# Altium PCB Kasli-DIOT.PCBDOC (part 18 of 21) (continued)
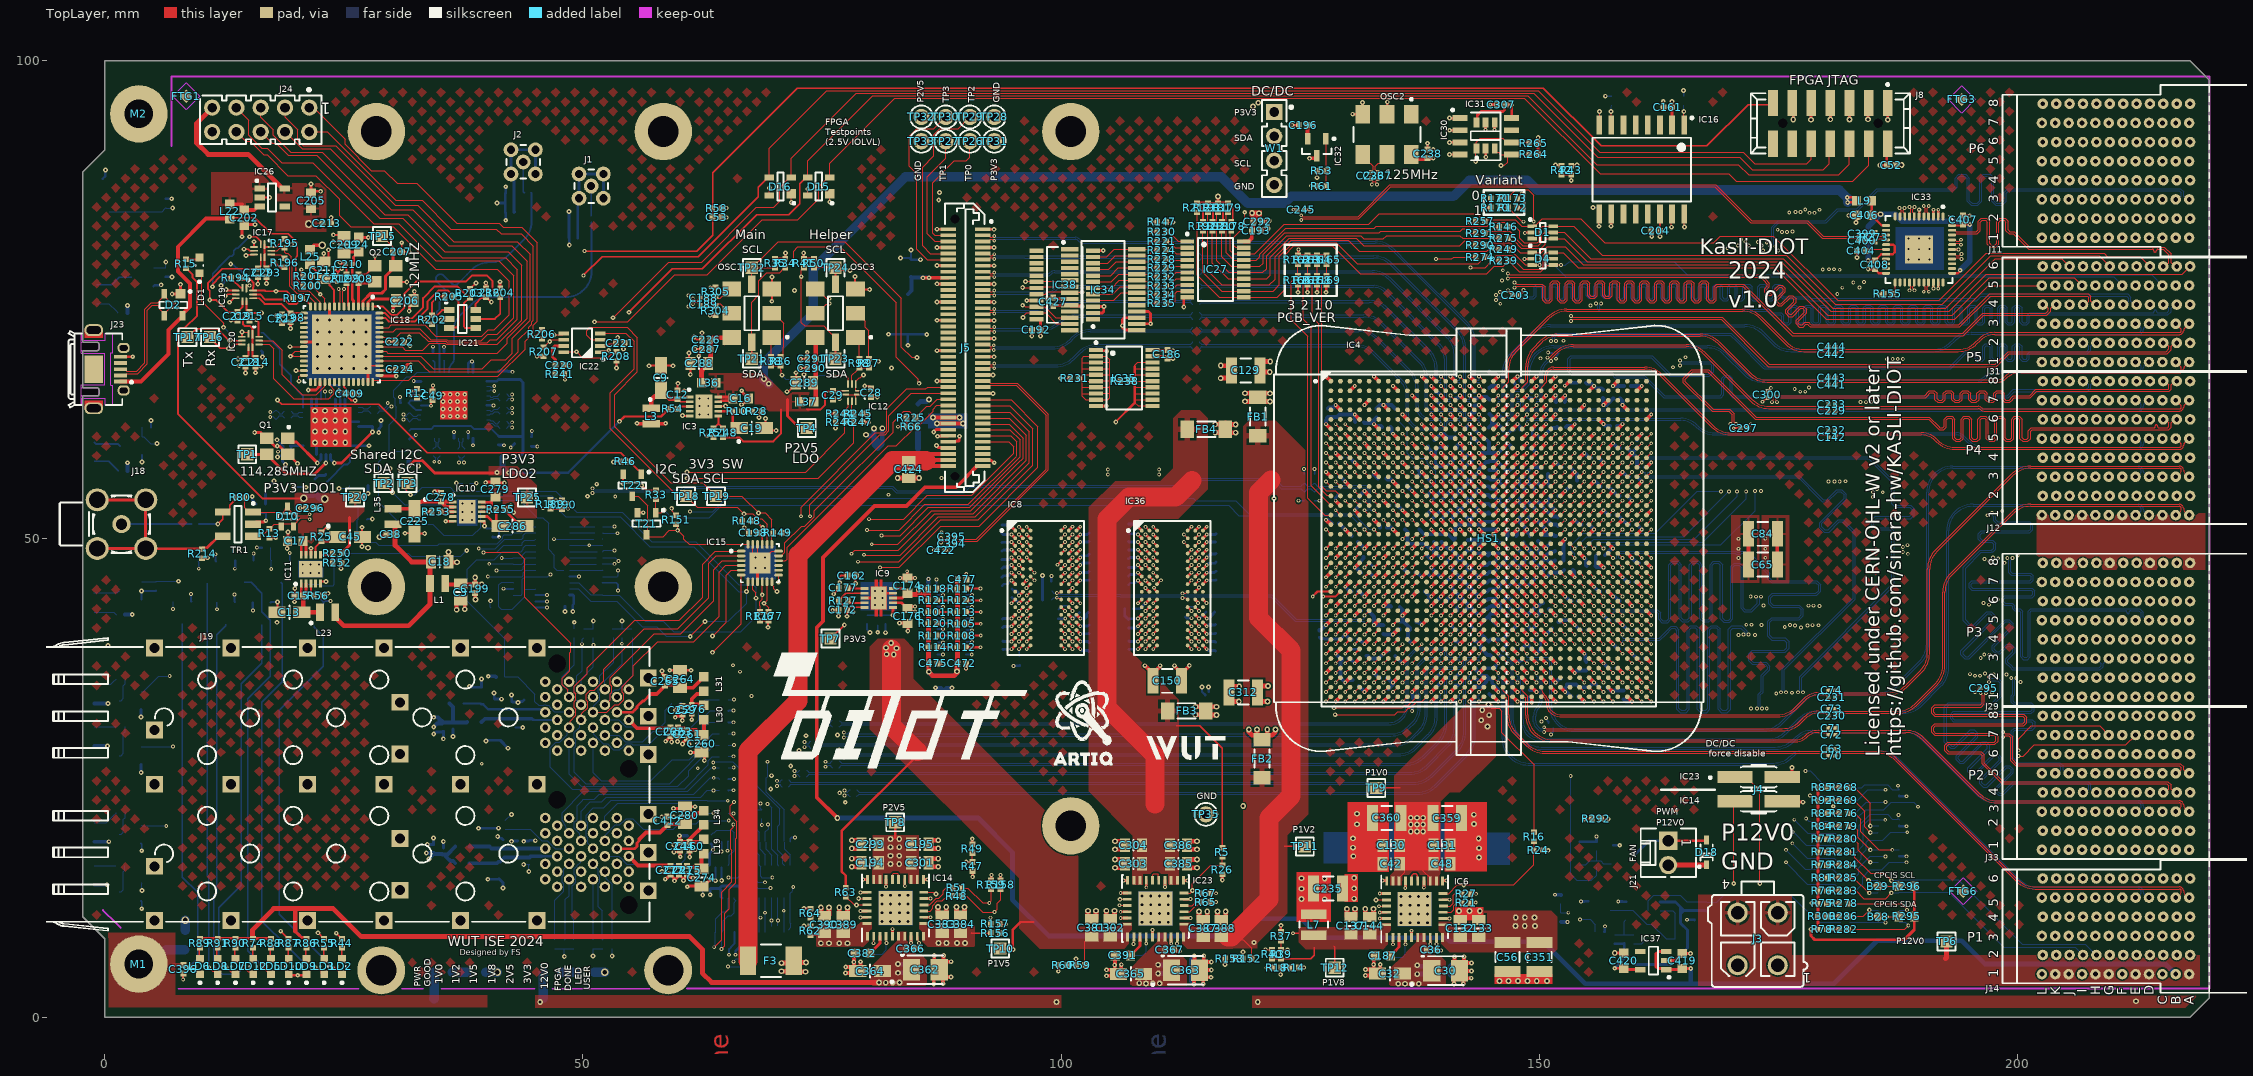
[diagram p0: TopLayer view]
## Nets (pads, with @x,y where several pads share a name; then routed paths per layer and width w, separated by ;. In a path a pad name is that pad's centre, name@x,y a point inside that pad or via, vN(x,y) a via of type N, cw(c..) or ccw(c..) an arc to the next point about the centre after c; other vN are vias at no path point) (continued)
SLOT6.LVDS_7_P: IC4.G29 J12.B8 | length 96.4
  TopLayer w0.095: IC4.G29@156.2,60.5 v1(156.7,61) ; v1(174.853,64.3) 174.853,64.348 174.7,64.5 174.7,64.7 174.778,64.778 190.2,64.778 190.404,64.778 190.699,65.072 190.699,65.122 190.863,65.286 191.192,65.286 191.356,65.122 191.356,64.564 191.65,64.27 192.163,64.27 192.457,64.564 192.457,65.122 192.621,65.286 192.95,65.286 193.114,65.122 193.114,64.564 193.408,64.27 193.921,64.27 194.215,64.564 194.215,65.122 194.379,65.286 194.708,65.286 194.872,65.122 194.872,64.564 195.166,64.27 195.679,64.27 195.973,64.564 195.973,65.122 196.137,65.286 196.466,65.286 196.63,65.122 196.63,64.564 196.924,64.27 197.437,64.27 197.731,64.564 197.731,65.122 197.895,65.286 198.224,65.286 198.388,65.122 198.388,64.564 198.682,64.27 199.195,64.27 199.489,64.564 199.489,64.614 199.653,64.778 200.6,64.778 201.342,64.778 201.992,65.428 215.839,65.428 216.05,65.639 216.05,66.143 216.407,66.5 J12.B8@216.639,66.5
  Layer 3 w0.075: v1(156.7,61) 157.055,61 157.099,61.044 157.099,61.678 157.585,62.164 157.585,64.512 158.3,65.228 158.374,65.302 158.397,65.302 158.556,65.461 158.556,67.289 158.834,67.567 159.319,67.567 159.597,67.289 159.597,64.853 159.756,64.694 160.075,64.694 160.234,64.853 160.234,65.185 160.512,65.463 160.997,65.463 161.275,65.185 161.275,64.853 161.434,64.694 161.753,64.694 161.912,64.853 161.912,67.289 162.19,67.567 162.675,67.567 162.953,67.289 162.953,64.853 163.112,64.694 163.431,64.694 163.59,64.853 163.59,67.135 163.868,67.413 164.353,67.413 164.631,67.135 164.631,64.853 164.79,64.694 165.109,64.694 165.268,64.853 165.268,65.024 165.546,65.302 165.891,65.302 166.422,65.302 166.519,65.302 166.678,65.461 166.678,65.632 166.955,65.91 167.441,65.91 167.719,65.632 167.719,64.853 167.878,64.694 168.197,64.694 168.356,64.853 168.356,65.632 168.633,65.91 169.119,65.91 169.397,65.632 169.397,64.853 169.556,64.694 169.875,64.694 170.034,64.853 170.034,65.632 170.311,65.91 170.797,65.91 171.075,65.632 171.075,64.853 171.234,64.694 171.553,64.694 171.712,64.853 171.712,65.632 171.989,65.91 172.475,65.91 172.753,65.632 172.753,65.461 172.912,65.302 173.625,65.302 174.338,65.302 174.69,64.95 174.69,64.506 174.853,64.344 v1(174.853,64.3)
SLOT6.LVDS_8_N: IC4.H29 J12.F8 | length 90.1
  TopLayer w0.095: IC4.H29@156.2,59.5 v1(156.7,60)
  Layer 3 w0.075: v1(156.7,60) 156.7,59.645 156.744,59.601 159.816,59.601 160.065,59.849 160.065,60.264 160.402,60.602 162.316,60.602 164.714,63 178.75,63 179.951,64.201 179.951,66.655 179.625,66.981 178.932,67.674 168.143,67.674 167.981,67.837 167.981,69.38 168.912,70.311 196.225,70.311 200.936,65.6 211.435,65.6 211.638,65.803 211.638,66.139 211.277,66.5 J12.F8@211.039,66.5
SLOT6.LVDS_8_P: IC4.J29 J12.E8 | length 90.4
  TopLayer w0.095: IC4.J29@156.2,58.5 v1(156.7,59)
  Layer 3 w0.075: v1(156.7,59) 156.7,59.355 156.744,59.399 159.9,59.399 160.267,59.765 160.267,60.181 160.486,60.4 162.4,60.4 164.798,62.798 178.834,62.798 180.153,64.117 180.153,66.739 179.911,66.981 179.015,67.876 168.227,67.876 168.183,67.92 168.183,69.296 168.996,70.109 196.141,70.109 200.853,65.398 211.519,65.398 211.84,65.719 211.84,66.139 212.201,66.5 J12.E8@212.439,66.5
SLOT6.LVDS_9_N: IC4.G27 J12.I8 | length 99
  TopLayer w0.095: IC4.G27@154.2,60.5 v1(154.7,61)
  Layer 3 w0.075: v1(154.7,61) 154.7,60.645 154.744,60.601 155.056,60.601 155.1,60.645 155.1,64.886 155.94,65.726 ccw(c155.7,66) 155.974,65.76 158.726,68.512 164.494,68.512 164.656,68.675 v1(164.7,68.675)
  BottomLayer w0.095: v1(164.7,68.675) 164.756,68.675 164.908,68.522 167.948,68.522 168.166,68.304 168.231,68.239 168.231,67.462 167.757,66.988 163.644,66.988 161.688,68.944 153.385,68.944 153.208,68.767 153.208,67.577 153.417,67.367 157.685,67.367 157.974,67.079 161.022,67.079 161.7,66.402 163.102,65 168.786,65 168.898,65 169.063,65.164 169.063,66.814 169.357,67.108 169.869,67.108 170.164,66.814 170.164,65.164 170.328,65 171.638,65 198.925,65 199.559,65.634 207.188,65.634 207.428,65.874 207.428,66.143 207.071,66.5 J12.I8@206.839,66.5
SLOT6.LVDS_9_P: IC4.H27 J12.H8 | length 99.4
  TopLayer w0.095: IC4.H27@154.2,59.5 v1(154.7,60)
  Layer 3 w0.075: v1(154.7,60) 154.7,60.355 154.744,60.399 155.14,60.399 155.302,60.561 155.302,64.802 156.078,65.578 ccw(c155.7,66) 156.122,65.622 158.81,68.31 164.494,68.31 164.656,68.148 v1(164.7,68.148)
  BottomLayer w0.095: v1(164.7,68.148) 164.756,68.148 164.908,68.3 167.856,68.3 168.009,68.148 168.009,67.554 167.665,67.21 163.736,67.21 161.78,69.166 153.293,69.166 152.986,68.859 152.986,67.485 153.051,67.42 153.325,67.145 157.593,67.145 157.882,66.857 160.93,66.857 161.386,66.402 161.543,66.245 163.01,64.778 168.786,64.778 168.99,64.778 169.285,65.072 169.285,66.722 169.449,66.886 169.777,66.886 169.942,66.722 169.942,65.072 170.236,64.778 171.638,64.778 199.017,64.778 199.651,65.412 207.28,65.412 207.65,65.782 207.65,66.143 208.007,66.5 J12.H8@208.239,66.5
SLOT6.LVDS_10_N: IC4.G32 J12.L8 | length 88.1
  TopLayer w0.095: IC4.G32@159.2,60.5 v1(159.7,61)
  Layer 3 w0.075: v1(159.7,61) 159.7,60.645 159.656,60.601 159.344,60.601 159.3,60.645 159.3,61.4 159.475,61.575 159.661,61.761 cw(c159.74,61.681) 159.82,61.761 159.878,61.702 ccw(c159.958,61.781) 160.038,61.702 ccw(c159.958,61.781) 160.038,61.861 159.979,61.92 cw(c160.058,61.999) 159.979,62.079 160.099,62.199 161.634,63.734 178.534,63.734 179.378,64.578 179.378,65.922 179.3,66 178.736,66.564 166.003,66.564 165.503,67.065 165.503,67.709 166.472,68.678 166.472,70.7 166.872,71.1 167.138,71.1 167.318,71.1 167.596,71.378 167.596,72.149 167.755,72.308 168.073,72.308 168.233,72.149 168.233,70.964 168.51,70.686 168.996,70.686 169.274,70.964 169.274,72.149 169.433,72.308 169.751,72.308 169.911,72.149 169.911,71.378 170.188,71.1 171.331,71.1 196.849,71.1 199.262,68.687 200.549,67.4 203.011,67.4 203.238,67.173 203.238,66.861 202.877,66.5 J12.L8@202.639,66.5
SLOT6.LVDS_10_P: IC4.H32 J12.K8 | length 88.6
  TopLayer w0.095: IC4.H32@159.2,59.5 v1(159.7,60)
  Layer 3 w0.075: v1(159.7,60) 159.7,60.355 159.656,60.399 159.26,60.399 159.098,60.561 159.098,61.484 161.55,63.936 178.45,63.936 179.176,64.662 179.176,65.838 178.652,66.362 165.919,66.362 165.301,66.981 165.301,67.792 166.27,68.762 166.27,70.784 166.789,71.302 167.138,71.302 167.234,71.302 167.394,71.461 167.394,72.232 167.671,72.51 168.157,72.51 168.435,72.232 168.435,71.047 168.594,70.888 168.912,70.888 169.072,71.047 169.072,72.232 169.349,72.51 169.835,72.51 170.113,72.232 170.113,71.461 170.272,71.302 171.331,71.302 196.933,71.302 199.262,68.972 200.633,67.602 203.095,67.602 203.44,67.257 203.44,66.861 203.801,66.5 J12.K8@204.039,66.5
SLOT6.LVDS_11_N: IC4.H24 J11.C6 | length 92.7
  TopLayer w0.095: IC4.H24@151.2,59.5 v1(151.7,60)
  Layer 5 w0.08: v1(151.7,60) 151.7,59.65 151.653,59.604 151.463,59.604 151.291,59.775 151.291,67.191 153.407,69.307 153.407,71.407 154.407,72.407 154.407,82.514 164.293,92.4 214.075,92.4 214.345,92.4 cw(c214.345,92.285) 214.46,92.285 214.46,92.207 ccw(c214.575,92.207) 214.575,92.092 ccw(c214.575,92.207) 214.69,92.207 214.69,92.285 cw(c214.805,92.285) 214.805,92.4 215.161,92.4 215.589,92.4 215.835,92.154 215.835,92.003 215.835,91.851 215.484,91.5 J11.C6@215.239,91.5
SLOT6.LVDS_11_P: IC4.J24 J11.B6 | length 93.3
  TopLayer w0.095: IC4.J24@151.2,58.5 v1(151.7,59)
  Layer 5 w0.08: v1(151.7,59) 151.7,59.35 151.653,59.397 151.377,59.397 151.084,59.69 151.084,67.277 153.2,69.393 153.2,71.493 154.2,72.493 154.2,82.6 164.207,92.607 215.675,92.607 216.042,92.24 216.042,91.918 216.042,91.851 216.393,91.5 J11.B6@216.639,91.5
SLOT6.LVDS_12_N: IC4.J26 J11.F6 | length 86
  TopLayer w0.095: IC4.J26@153.2,58.5 v1(153.7,59)
  Layer 5 w0.08: v1(153.7,59) 153.7,58.65 153.747,58.604 153.813,58.604 154.1,58.89 154.1,70.693 156.847,73.439 156.847,83.247 164.182,90.582 211.521,90.582 211.635,90.697 211.635,90.905 211.04,91.5 J11.F6@211.039,91.5
SLOT6.LVDS_12_P: IC4.K26 J11.E6 | length 86.4
  TopLayer w0.095: IC4.K26@153.2,57.5 v1(153.7,58)
  Layer 5 w0.08: v1(153.7,58) 153.7,58.35 153.747,58.397 153.899,58.397 154.307,58.805 154.307,70.607 157.054,73.354 157.054,83.161 164.268,90.375 211.607,90.375 211.842,90.611 211.842,90.905 J11.E6@212.439,91.5 J11.E6@212.439,91.5
SLOT6.LVDS_13_N: IC4.G34 J11.I6 | length 89.3
  TopLayer w0.095: IC4.G34@161.2,60.5 v1(161.7,61)
  layer 8 w0.075: v1(161.7,61) 161.7,60.921 161.518,60.74 161.518,60.61 161.562,60.567 162.267,60.567 162.519,60.819 162.519,69.5 162.519,72.354 168.198,78.034 168.198,82.798 170.193,84.793 170.562,85.162 171.061,85.162 172.136,84.086 172.468,84.086 172.799,84.418 172.799,84.749 170.233,87.315 170.233,87.814 170.682,88.263 171.181,88.263 173.747,85.697 174.078,85.697 174.41,86.028 174.41,86.36 171.843,88.926 171.843,89.425 172.293,89.874 172.792,89.874 175.358,87.308 175.689,87.308 176.02,87.639 176.02,87.971 174.945,89.046 174.945,89.545 175.072,89.672 176.057,90.657 202.36,90.657 ccw(c202.639,91.5) 202.918,90.657 203.76,90.657 ccw(c204.039,91.5) 204.318,90.657 205.16,90.657 ccw(c205.439,91.5) 205.718,90.657 207.278,90.657 207.438,90.817 207.438,91.139 207.077,91.5 J11.I6@206.839,91.5
SLOT6.LVDS_13_P: IC4.H33 J11.H6 | length 90.1
  TopLayer w0.095: IC4.H33@160.2,59.5 v1(160.7,60)
  layer 8 w0.075: v1(160.7,60) 161.065,60.364 162.35,60.364 162.721,60.735 162.721,69.5 162.721,72.271 168.4,77.95 168.4,82.714 170.336,84.65 170.646,84.96 170.977,84.96 172.053,83.884 172.551,83.884 173.001,84.334 173.001,84.833 170.435,87.399 170.435,87.73 170.766,88.061 171.097,88.061 173.663,85.495 174.162,85.495 174.612,85.945 174.612,86.443 172.045,89.01 172.045,89.341 172.377,89.672 172.708,89.672 175.274,87.106 175.773,87.106 176.222,87.556 176.222,88.054 175.147,89.13 175.147,89.461 175.215,89.529 176.141,90.455 202.329,90.455 ccw(c202.639,91.5) 202.948,90.455 203.729,90.455 ccw(c204.039,91.5) 204.348,90.455 205.129,90.455 ccw(c205.439,91.5) 205.748,90.455 207.362,90.455 207.64,90.733 207.64,91.139 208.001,91.5 J11.H6@208.239,91.5
SLOT6.LVDS_14_N: IC4.G31 J11.L6 | length 90.4
  TopLayer w0.095: IC4.G31@158.2,60.5 v1(158.7,61)
  layer 8 w0.075: v1(158.7,61) 158.7,60.645 158.656,60.601 156.499,60.601 156.4,60.7 156.322,60.778 156.3,60.8 156.3,61.93 cw(c156.635,61.971) 156.3,62.012 156.3,65.554 156.3,70.35 156.322,70.372 160.207,74.257 160.335,74.385 160.335,74.883 159.259,75.959 159.259,76.29 159.59,76.621 159.922,76.621 162.488,74.055 162.986,74.055 163.436,74.505 163.436,75.004 160.87,77.57 160.87,77.901 161.201,78.232 161.532,78.232 164.099,75.666 164.597,75.666 165.047,76.116 165.047,76.614 163.971,77.69 163.971,78.021 164.615,78.665 166.9,80.95 166.9,88.614 170.696,92.41 201.016,92.41 201.279,92.41 cw(c201.279,92.297) 201.391,92.297 201.391,92.214 ccw(c201.504,92.214) 201.504,92.102 ccw(c201.504,92.214) 201.616,92.214 201.616,92.297 cw(c201.729,92.297) 201.729,92.41 201.975,92.41 202.982,92.41 203.238,92.154 203.238,91.861 202.877,91.5 J11.L6@202.639,91.5
SLOT6.LVDS_14_P: IC4.H31 J11.K6 | length 91
  TopLayer w0.095: IC4.H31@158.2,59.5 v1(158.7,60)
  layer 8 w0.075: 156.095,61.97 156.098,60.716 156.12,60.694 156.415,60.399 158.656,60.399 158.7,60.355 v1(158.7,60) ; 156.095,61.971 156.095,65.635 156.098,65.638 156.098,70.434 160.064,74.4 160.133,74.468 160.133,74.8 159.057,75.875 159.057,76.374 159.507,76.823 160.005,76.823 162.571,74.257 162.903,74.257 163.234,74.589 163.234,74.92 160.668,77.486 160.668,77.985 161.117,78.434 161.616,78.434 164.182,75.868 164.514,75.868 164.845,76.199 164.845,76.531 163.769,77.606 163.769,78.105 164.472,78.807 166.698,81.034 166.698,88.698 170.612,92.612 203.066,92.612 203.44,92.238 203.44,91.861 203.801,91.5 J11.K6@204.039,91.5
SLOT6.LVDS_15_N: IC4.L34 J33.F6 | length 94.7
  TopLayer w0.095: IC4.L34@161.2,56.5 v1(161.7,57)
  Layer 6 w0.08: v1(175.774,33.967) 175.774,33.92 175.615,33.76 175.615,31.386 178.493,28.507 200.393,28.507 202.306,26.594 211.441,26.594 211.635,26.788 211.635,27.149 211.284,27.5 J33.F6@211.039,27.5
  BottomLayer w0.095: v1(161.7,57) 161.367,57 161.311,56.944 161.311,56.661 161.372,56.6 177.189,56.6 179.275,54.514 179.432,54.357 179.684,54.105 180.023,54.105 181.083,55.165 181.605,55.165 182.074,54.697 182.074,54.174 179.523,51.623 179.523,51.285 179.861,50.947 180.199,50.947 181.26,52.007 181.782,52.007 181.927,51.862 183.022,50.767 183.022,43.713 175.622,36.313 175.622,34.175 175.774,34.022 v1(175.774,33.967)
SLOT6.LVDS_15_P: IC4.L33 J33.E6 | length 95.4
  TopLayer w0.095: IC4.L33@160.2,56.5 v1(160.7,57)
  Layer 6 w0.08: v1(175.248,33.967) 175.248,33.92 175.408,33.76 175.408,31.3 178.407,28.3 200.307,28.3 202.22,26.387 211.527,26.387 211.842,26.703 211.842,27.149 212.194,27.5 J33.E6@212.439,27.5
  BottomLayer w0.095: v1(160.7,57) 161.033,57 161.089,56.944 161.089,56.569 161.28,56.378 177.097,56.378 179.118,54.357 179.21,54.265 179.34,54.135 179.592,53.883 180.115,53.883 181.175,54.943 181.513,54.943 181.852,54.605 181.852,54.266 179.301,51.715 179.301,51.193 179.769,50.725 180.291,50.725 181.352,51.785 181.69,51.785 181.77,51.705 182.8,50.675 182.8,43.805 175.4,36.405 175.4,34.175 175.248,34.022 v1(175.248,33.967)
SLOT7.LVDS_0_N: IC4.K6 J29.I4 | length 107.4
  TopLayer w0.095: v1(132.7,58) IC4.K6@133.2,57.5
  Layer 5 w0.08: v1(132.7,58) 133.05,58 133.096,58.047 133.096,58.453 133.097,59.208 133.495,59.607 134.986,59.607 135.333,59.26 135.333,56.467 136.167,55.633 143.96,55.633 144.407,55.186 144.407,50.457 145.307,49.557 145.307,48.8 145.5,48.607 148.086,48.607 148.3,48.393 148.3,34.7 152.8,30.2 166.507,30.2 173.798,37.491 184.54,37.491 185.442,38.393 195.084,38.393 196.398,39.707 200.93,39.707 202.037,38.6 207.212,38.6 207.435,38.823 207.435,39.149 207.084,39.5 J29.I4@206.839,39.5
SLOT7.LVDS_0_P: IC4.K7 J29.H4 | length 107.4
  TopLayer w0.095: v1(133.7,58) IC4.K7@134.2,57.5
  Layer 5 w0.08: v1(133.7,58) 133.35,58 133.303,58.047 133.303,58.368 133.304,59.123 133.581,59.4 134.9,59.4 135.126,59.174 135.126,56.381 136.081,55.426 143.874,55.426 144.2,55.1 144.2,50.371 145.1,49.471 145.1,48.714 145.414,48.4 148,48.4 148.093,48.307 148.093,34.614 152.714,29.993 166.593,29.993 173.884,37.284 184.625,37.284 185.528,38.186 195.17,38.186 196.484,39.5 200.845,39.5 201.952,38.393 207.298,38.393 207.642,38.737 207.642,39.149 207.994,39.5 J29.H4@208.239,39.5
SLOT7.LVDS_1_N: IC4.G11 J29.L4 | length 108.1
  TopLayer w0.095: v1(137.7,61) IC4.G11@138.2,60.5
  Layer 5 w0.08: v1(137.7,61) 137.7,60.65 137.653,60.604 136.411,60.604 136.067,60.26 136.067,56.74 136.381,56.426 144.574,56.426 145.1,55.9 145.1,50.607 145.507,50.2 149.307,50.2 150.093,49.414 150.093,33.655 152.654,31.093 165.755,31.093 173.662,39 173.931,39 174.117,39 174.424,39.307 174.424,40.252 174.609,40.438 174.98,40.438 175.166,40.252 175.166,37.977 175.472,37.671 176.015,37.671 176.322,37.977 176.322,39.995 176.507,40.18 176.878,40.18 177.064,39.995 177.064,39.307 177.37,39 178.155,39 194.666,39 195.866,40.2 203.188,40.2 203.235,40.153 203.235,39.851 202.884,39.5 J29.L4@202.639,39.5
SLOT7.LVDS_1_P: IC4.H11 J29.K4 | length 107.7
  TopLayer w0.095: v1(137.7,60) IC4.H11@138.2,59.5
  Layer 5 w0.08: v1(137.7,60) 137.7,60.35 137.653,60.397 136.497,60.397 136.274,60.174 136.274,56.826 136.467,56.633 144.66,56.633 145.307,55.986 145.307,50.693 145.593,50.407 149.393,50.407 150.3,49.5 150.3,33.74 152.74,31.3 165.669,31.3 173.576,39.207 173.931,39.207 174.031,39.207 174.217,39.393 174.217,40.338 174.523,40.645 175.066,40.645 175.373,40.338 175.373,38.063 175.558,37.878 175.929,37.878 176.115,38.063 176.115,40.081 176.421,40.387 176.964,40.387 177.271,40.081 177.271,39.393 177.456,39.207 178.155,39.207 194.58,39.207 195.78,40.407 203.274,40.407 203.442,40.239 203.442,39.851 203.794,39.5 J29.K4@204.039,39.5
SLOT7.LVDS_2_N: IC4.K8 J29.H1 | length 107.2
  TopLayer w0.095: v1(134.7,58) IC4.K8@135.2,57.5
  Layer 5 w0.08: v1(134.7,58) 134.7,57.65 134.653,57.604 134.341,57.604 134.112,57.374 134.112,54.646 134.357,54.4 142.956,54.4 143.093,54.263 143.093,50.387 144.218,49.262 144.218,48.182 145.033,47.367 145.979,47.367 146.093,47.253 146.093,30.448 149.153,27.388 165.588,27.388 172.585,34.385 208.522,34.385 208.735,34.172 208.735,33.851 208.384,33.5 J29.H1@208.139,33.5
SLOT7.LVDS_2_P: IC4.L8 J29.G1 | length 106.9
  TopLayer w0.095: v1(134.7,57) IC4.L8@135.2,56.5
  Layer 5 w0.08: v1(134.7,57) 134.7,57.35 134.653,57.397 134.427,57.397 134.319,57.289 134.319,54.731 134.443,54.607 143.041,54.607 143.3,54.348 143.3,50.473 144.425,49.348 144.425,48.268 145.119,47.574 146.065,47.574 146.3,47.339 146.3,30.534 149.239,27.595 165.502,27.595 172.499,34.592 208.607,34.592 208.942,34.257 208.942,33.851 209.294,33.5 J29.G1@209.539,33.5
SLOT7.LVDS_3_N: IC4.G9 J29.C8 | length 109.6
  TopLayer w0.095: v1(135.7,61) IC4.G9@136.2,60.5
  Layer 6 w0.08: v1(135.7,61) 136.05,61 136.096,60.953 136.096,60.6 136.303,60.393 144.486,60.393 144.907,60.814 144.907,64.014 145.293,64.4 161.7,64.4 164.693,67.393 165.27,67.393 167.97,70.093 182.503,70.093 185.203,67.393 198.033,67.393 200.393,65.033 200.393,52.314 201.924,50.783 204.742,50.783 204.955,50.783 205.115,50.623 205.115,50.466 205.397,50.184 205.89,50.184 206.171,50.466 206.171,50.799 206.332,50.96 206.653,50.96 206.813,50.799 206.813,50.466 207.095,50.184 207.588,50.184 207.869,50.466 207.869,50.799 208.03,50.96 208.351,50.96 208.511,50.799 208.511,50.466 208.793,50.184 209.286,50.184 209.567,50.466 209.567,50.799 209.728,50.96 210.049,50.96 210.209,50.799 210.209,50.466 210.491,50.184 210.984,50.184 211.265,50.466 211.265,50.623 211.426,50.783 211.527,50.783 215.117,50.783 215.835,50.065 215.835,48.104 215.835,47.951 215.384,47.5 J29.C8@215.239,47.5
SLOT7.LVDS_3_P: IC4.G10 J29.B8 | length 109.6
  TopLayer w0.095: v1(136.7,61) IC4.G10@137.2,60.5
  Layer 6 w0.08: v1(136.7,61) 136.35,61 136.303,60.953 136.303,60.686 136.389,60.6 144.4,60.6 144.7,60.9 144.7,64.1 145.207,64.607 161.614,64.607 164.607,67.6 165.184,67.6 167.884,70.3 182.588,70.3 185.288,67.6 198.118,67.6 200.6,65.118 200.6,52.4 202.01,50.99 204.742,50.99 205.041,50.99 205.322,50.709 205.322,50.552 205.483,50.391 205.804,50.391 205.964,50.552 205.964,50.885 206.246,51.167 206.739,51.167 207.02,50.885 207.02,50.552 207.181,50.391 207.502,50.391 207.662,50.552 207.662,50.885 207.944,51.167 208.437,51.167 208.718,50.885 208.718,50.552 208.879,50.391 209.2,50.391 209.36,50.552 209.36,50.885 209.642,51.167 210.135,51.167 210.416,50.885 210.416,50.552 210.577,50.391 210.898,50.391 211.058,50.552 211.058,50.709 211.34,50.99 211.527,50.99 215.202,50.99 216.042,50.15 216.042,48.018 216.042,47.951 216.494,47.5 J29.B8@216.639,47.5
SLOT7.LVDS_4_N: IC4.J11 J29.F8 | length 106.5
  TopLayer w0.095: v1(137.7,59) IC4.J11@138.2,58.5
  Layer 6 w0.08: v1(137.7,59) 137.7,58.65 137.653,58.604 137.347,58.604 137.3,58.65 137.3,59.253 137.457,59.41 137.9,59.41 138.12,59.41 cw(c138.12,59.32) 138.21,59.32 138.21,59.261 ccw(c138.3,59.261) 138.39,59.261 138.39,59.32 cw(c138.48,59.32) 138.48,59.41 138.739,59.41 144.05,59.41 145.293,59.41 147.003,59.41 148.307,60.714 148.307,63.307 148.4,63.4 162.45,63.4 165.443,66.393 169.691,66.393 169.877,66.393 170.234,66.75 170.234,68.32 170.47,68.556 170.941,68.556 171.176,68.32 171.176,66.043 171.533,65.686 172.175,65.686 172.532,66.043 172.532,68.32 172.768,68.556 173.239,68.556 173.474,68.32 173.474,66.75 173.831,66.393 176.119,66.393 197.662,66.393 198.944,65.111 198.944,52.349 201.919,49.374 211.526,49.374 211.635,49.265 211.635,48.204 211.635,48.051 211.084,47.5 J29.F8@211.039,47.5
SLOT7.LVDS_4_P: IC4.K11 J29.E8 | length 107.2
  TopLayer w0.095: v1(137.7,58) IC4.K11@138.2,57.5
  Layer 6 w0.08: v1(137.7,58) 137.7,58.35 137.653,58.397 137.261,58.397 137.093,58.565 137.093,59.339 137.371,59.617 146.917,59.617 148.1,60.8 148.1,63.393 148.314,63.607 162.364,63.607 165.357,66.6 169.691,66.6 169.792,66.6 170.027,66.835 170.027,68.406 170.384,68.763 171.026,68.763 171.383,68.406 171.383,66.129 171.619,65.893 172.09,65.893 172.325,66.129 172.325,68.406 172.682,68.763 173.324,68.763 173.681,68.406 173.681,66.835 173.917,66.6 176.119,66.6 197.748,66.6 199.151,65.197 199.151,52.435 202.005,49.581 211.612,49.581 211.842,49.35 211.842,48.118 211.842,48.051 212.394,47.5 J29.E8@212.439,47.5
SLOT7.LVDS_5_N: IC4.K12 J31.H1 | length 109.7
  TopLayer w0.095: v1(138.7,58) IC4.K12@139.2,57.5
  layer 8 w0.075: v1(138.7,58) 138.7,57.645 138.744,57.601 141.887,57.601 163.515,57.601 165.319,59.405 165.319,60 168.085,62.766 174.856,62.766 175.452,62.17 175.781,61.841 186.239,61.841 191.755,67.357 191.755,69.271 191.875,69.391 191.912,69.428 191.912,71.918 192.165,72.171 192.601,72.171 192.853,71.918 192.853,68.996 192.988,68.862 193.256,68.862 193.39,68.996 193.39,71.918 193.643,72.171 194.079,72.171 194.331,71.918 194.331,68.996 194.466,68.862 194.734,68.862 194.868,68.996 194.868,71.918 195.121,72.171 195.557,72.171 195.809,71.918 195.809,68.996 195.944,68.862 196.212,68.862 196.346,68.996 196.346,71.918 196.599,72.171 197.035,72.171 197.287,71.918 197.287,68.996 197.422,68.862 197.69,68.862 197.824,68.996 197.824,71.918 198.077,72.171 198.513,72.171 198.765,71.918 198.765,69.965 198.9,69.831 199.325,69.831 199.487,69.831 201.718,67.6 208.575,67.6 208.738,67.763 208.738,68.151 208.388,68.5 J31.H1@208.139,68.5
SLOT7.LVDS_5_P: IC4.L12 J31.G1 | length 110.1
  TopLayer w0.095: v1(138.7,57) IC4.L12@139.2,56.5
  layer 8 w0.075: v1(138.7,57) 138.7,57.355 138.744,57.399 141.97,57.399 163.599,57.399 165.521,59.321 165.521,59.916 168.169,62.564 174.772,62.564 175.381,61.955 175.697,61.639 186.323,61.639 191.957,67.273 191.957,68.623 191.957,69.187 192.114,69.345 192.114,71.835 192.249,71.969 192.517,71.969 192.651,71.835 192.651,68.913 192.904,68.66 193.34,68.66 193.592,68.913 193.592,71.835 193.727,71.969 193.995,71.969 194.129,71.835 194.129,68.913 194.382,68.66 194.818,68.66 195.07,68.913 195.07,71.835 195.205,71.969 195.473,71.969 195.607,71.835 195.607,68.913 195.86,68.66 196.296,68.66 196.548,68.913 196.548,71.835 196.683,71.969 196.951,71.969 197.085,71.835 197.085,68.913 197.338,68.66 197.774,68.66 198.026,68.913 198.026,71.835 198.161,71.969 198.429,71.969 198.563,71.835 198.563,69.881 198.816,69.629 199.325,69.629 199.403,69.629 201.634,67.398 208.659,67.398 208.94,67.679 208.94,68.151 209.289,68.5 J31.G1@209.539,68.5
SLOT7.LVDS_6_N: IC4.J8 J31.K1 | length 108
  TopLayer w0.095: v1(134.7,59) IC4.J8@135.2,58.5
  layer 8 w0.075: v1(134.7,59) 135.055,59 135.099,58.956 135.099,58.6 135.301,58.398 138.37,58.398 163.096,58.398 164.615,59.916 164.615,61.841 166.171,63.398 174.944,63.398 175.612,62.73 175.814,62.528 185.944,62.528 190.753,67.337 190.753,71.541 192.712,73.5 193.1,73.5 193.28,73.5 193.533,73.753 193.533,75.634 193.667,75.768 193.936,75.768 194.07,75.634 194.07,72.945 194.323,72.692 194.758,72.692 195.011,72.945 195.011,75.817 195.145,75.951 195.414,75.951 195.548,75.817 195.548,72.945 195.801,72.692 196.236,72.692 196.489,72.945 196.489,75.817 196.623,75.951 196.892,75.951 197.026,75.817 197.026,72.945 197.279,72.692 197.714,72.692 197.967,72.945 197.967,75.817 198.101,75.951 198.37,75.951 198.504,75.817 198.504,73.753 198.757,73.5 199.255,73.5 199.284,73.471 199.389,73.366 199.389,71.211 201.173,69.427 204.298,69.427 204.538,69.187 204.538,68.776 204.494,68.732 204.448,68.732 204.216,68.5 J31.K1@203.939,68.5
SLOT7.LVDS_6_P: IC4.J9 J31.J1 | length 108
  TopLayer w0.095: v1(135.7,59) IC4.J9@136.2,58.5
  layer 8 w0.075: v1(135.7,59) 135.345,59 135.301,58.956 135.301,58.683 135.384,58.6 138.454,58.6 163.013,58.6 164.413,60 164.413,61.925 166.088,63.6 175.028,63.6 175.898,62.73 185.86,62.73 190.551,67.421 190.551,71.625 192.628,73.702 193.1,73.702 193.197,73.702 193.331,73.836 193.331,75.718 193.584,75.97 194.019,75.97 194.272,75.718 194.272,73.028 194.406,72.894 194.675,72.894 194.809,73.028 194.809,75.901 195.062,76.153 195.497,76.153 195.75,75.901 195.75,73.028 195.884,72.894 196.153,72.894 196.287,73.028 196.287,75.901 196.54,76.153 196.975,76.153 197.228,75.901 197.228,73.028 197.362,72.894 197.631,72.894 197.765,73.028 197.765,75.901 198.018,76.153 198.453,76.153 198.706,75.901 198.706,73.836 198.84,73.702 199.284,73.702 199.339,73.702 199.591,73.449 199.591,71.294 201.257,69.629 204.382,69.629 204.74,69.271 204.74,68.776 204.784,68.732 204.83,68.732 205.061,68.5 J31.J1@205.339,68.5
SLOT7.LVDS_7_N: IC4.G6 J31.C2 | length 118.1
  TopLayer w0.095: v1(132.7,61) IC4.G6@133.2,60.5 ; v1(153.3,73.327) 153.356,73.327 153.508,73.174 169.1,73.174 174.028,68.247 197.672,68.247 199.025,69.6 215.55,69.6 215.828,69.878 215.828,70.143 215.471,70.5 J31.C2@215.239,70.5
  Layer 5 w0.08: v1(132.7,61) 133.05,61 133.096,61.047 133.096,62.389 135.418,64.711 135.418,67.119 141.466,73.167 142.287,73.167 142.387,73.167 142.548,73.327 142.548,74.013 142.83,74.295 143.322,74.295 143.604,74.013 143.604,72.047 143.764,71.887 144.085,71.887 144.246,72.047 144.246,74.013 144.528,74.295 145.02,74.295 145.302,74.013 145.302,72.047 145.462,71.887 145.783,71.887 145.944,72.047 145.944,73.972 146.226,74.254 146.718,74.254 147,73.972 147,72.047 147.16,71.887 147.481,71.887 147.642,72.047 147.642,74.013 147.924,74.295 148.416,74.295 148.698,74.013 148.698,72.047 148.858,71.887 149.179,71.887 149.34,72.047 149.34,74.013 149.622,74.295 150.114,74.295 150.396,74.013 150.396,72.047 150.556,71.887 150.877,71.887 151.038,72.047 151.038,74.013 151.32,74.295 151.812,74.295 152.094,74.013 152.094,73.327 152.254,73.167 152.525,73.167 152.903,73.167 152.91,73.174 cw(c153.3,72.8) 153.252,73.338 153.253,73.334 153.259,73.327 v1(153.3,73.327)
SLOT7.LVDS_7_P: IC4.G7 J31.B2 | length 118.1
  TopLayer w0.095: v1(133.7,61) IC4.G7@134.2,60.5 ; v1(153.3,72.8) 153.356,72.8 153.508,72.952 169.009,72.952 173.843,68.118 173.936,68.025 197.764,68.025 199.117,69.378 215.642,69.378 216.05,69.786 216.05,70.143 216.407,70.5 J31.B2@216.639,70.5
  Layer 5 w0.08: v1(133.7,61) 133.35,61 133.303,61.047 133.303,62.303 135.625,64.625 135.625,67.033 141.552,72.96 142.287,72.96 142.473,72.96 142.755,73.242 142.755,73.928 142.915,74.088 143.236,74.088 143.397,73.928 143.397,71.961 143.679,71.68 144.171,71.68 144.453,71.961 144.453,73.928 144.613,74.088 144.934,74.088 145.095,73.928 145.095,71.961 145.377,71.68 145.869,71.68 146.151,71.961 146.151,73.886 146.311,74.047 146.632,74.047 146.793,73.886 146.793,71.961 147.075,71.68 147.567,71.68 147.849,71.961 147.849,73.928 148.009,74.088 148.33,74.088 148.491,73.928 148.491,71.961 148.773,71.68 149.265,71.68 149.547,71.961 149.547,73.928 149.707,74.088 150.028,74.088 150.189,73.928 150.189,71.961 150.471,71.68 150.963,71.68 151.245,71.961 151.245,73.928 151.405,74.088 151.726,74.088 151.887,73.928 151.887,73.242 152.169,72.96 152.525,72.96 152.903,72.96 152.91,72.953 ccw(c153.3,73.327) 153.25,72.789 153.259,72.8 v1(153.3,72.8)